# Altium PCB PCB.PcbDoc
Units mm, origin at the board's own origin, x right, y up, seen from the top; angles counter-clockwise.
Board outline 69.9 x 71.4 mm, 2 copper layers (Top Layer, Bottom Layer); 9 components, 0 nets, 97 pads, 0 vias.
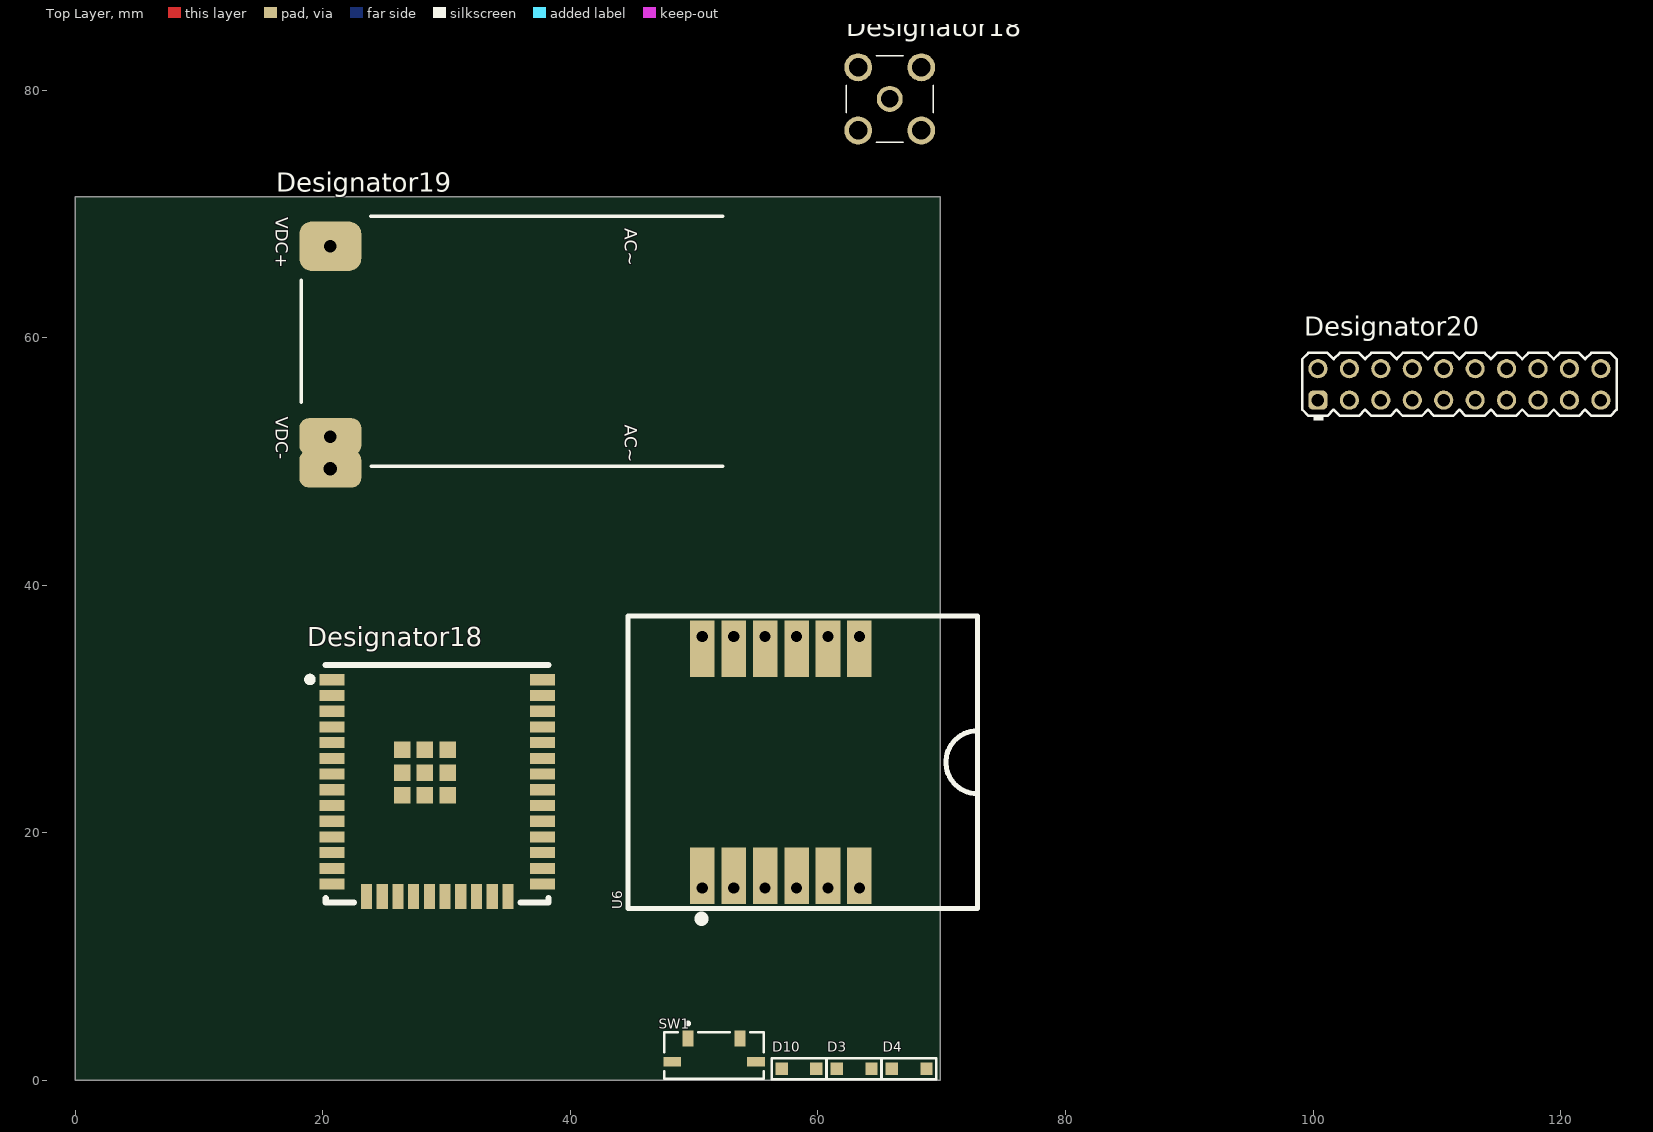
[diagram p0: Top Layer view]
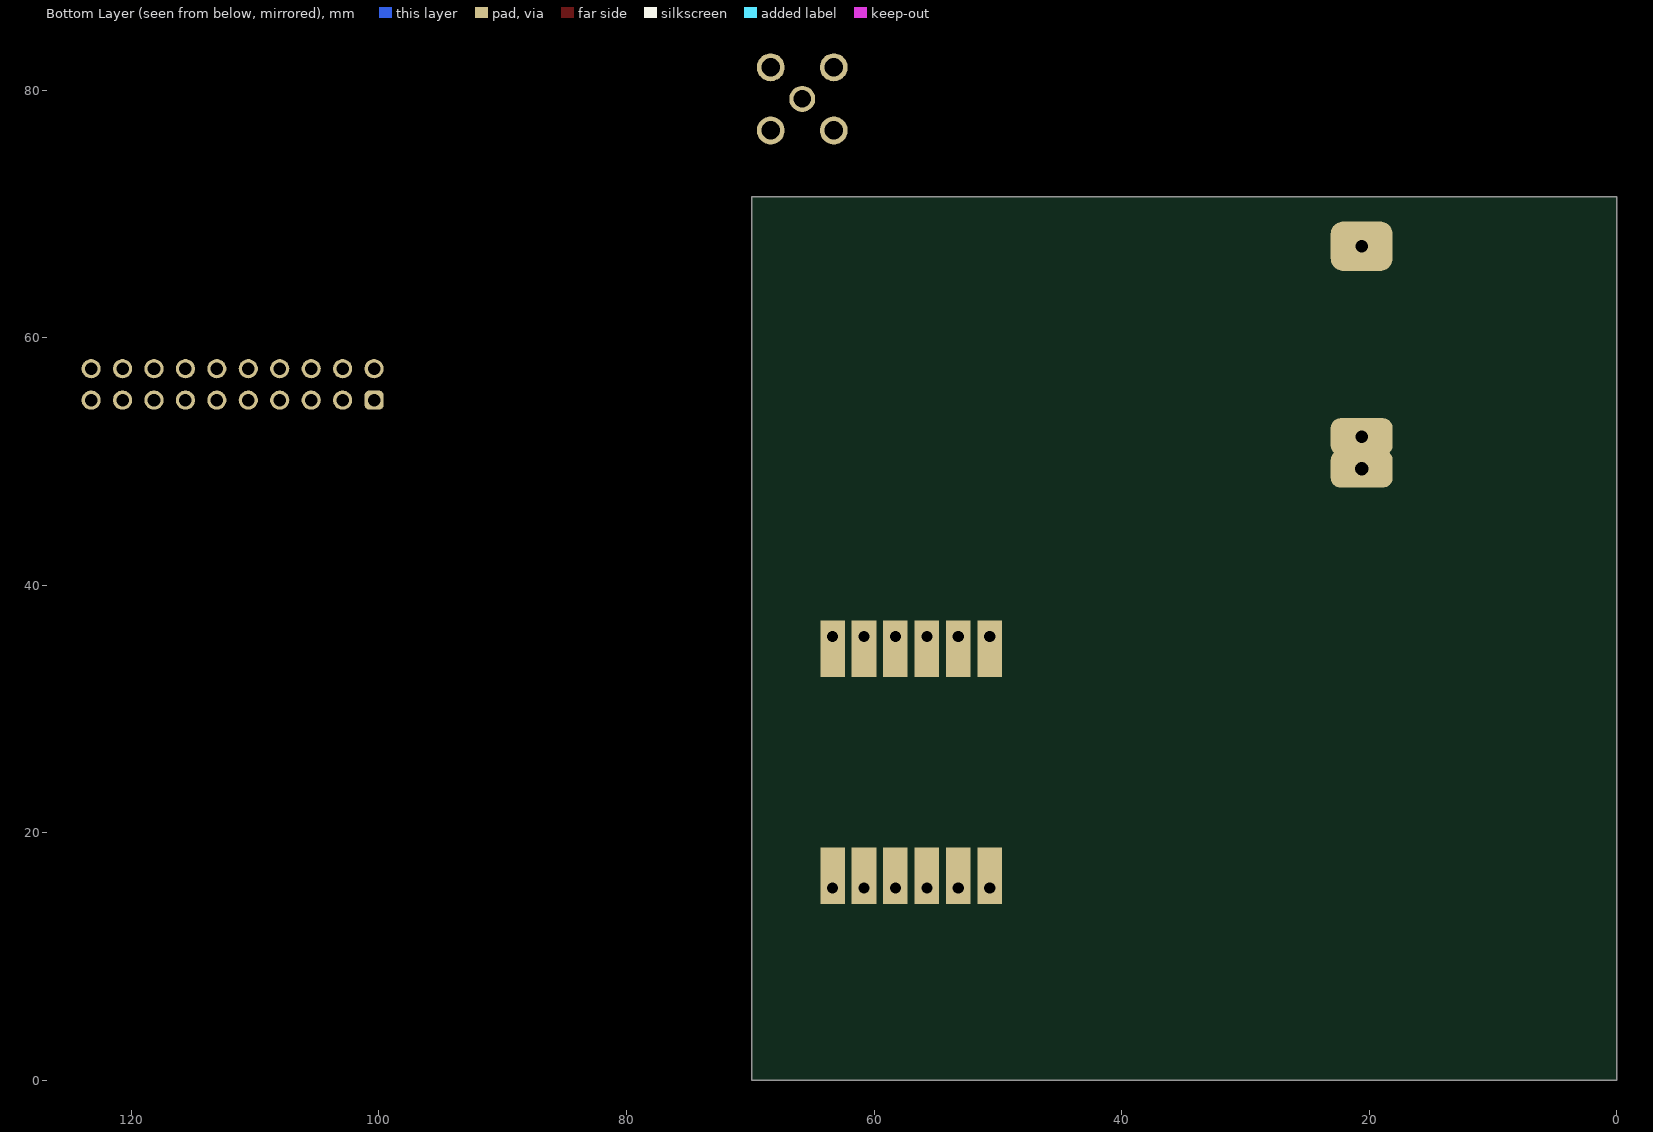
[diagram p1: Bottom Layer view, seen from below]

## Layer stack, top to bottom
Top Solder: solder mask 0.0102, Solder Resist, Dk 3.5
Top Layer: signal copper 0.0356
Dielectric 1: dielectric 0.32, FR-4, Dk 4.8
Bottom Layer: signal copper 0.0356
Bottom Solder: solder mask 0.0102, Solder Resist, Dk 3.5

## Board outline
0,71.4 69.9,71.4 69.9,0 0,0

## Design rules (kind name [scope] priority, off if disabled: settings)
Clearance [All] p1: gap=0.254 ignorepadtopadclearanceinfootprint=FALSE except(0: Arc-Hole Track-Hole SMDPad-Hole THPad-Hole Via-Hole Fill-Hole Poly-Hole Region-Hole Text-Hole)
PolygonConnect [All] p1: connectstyle=Relief reliefconductorwidth=0.254 reliefentries=4 polygonreliefangle="90 Angle" airgapwidth=0.254
RoutingVias [All] p1: holewidth=0.711 width=1.27 viastyle="Through Hole" minholewidth=0.711 minwidth=1.27 maxholewidth=0.711 maxwidth=1.27
SolderMaskExpansion [All] p1: expansion=0.102 istentingtop=FALSE
Width [All] p1: maxlimit=0.254 minlimit=0.254 preferedwidth=0.254
30 further rules are at their usual default settings.

## Components (designator, comment, footprint, x,y, rotation, side; value= is the part's Value field where it differs from the comment)
D3 "GLED-RA" 12-21C/G6C-KN2P2/2C 62.921,0.922 r0 top
D4 "BLED-RA" 12-21C/BHC-AP1Q1N/2C 67.366,0.922 r0 top
D10 "RLED-RA" 12-21SURC/S530-A3/TR8 58.476,0.922 r0 top
Designator18 "Comment" ESP32WROOM32UEM113EH6400UH3Q0 29.235,23.955 r0 top
Designator18 "Comment" LINX_CONSMA002-G 65.8,79.3 r90 top
Designator19 "Comment" "Hi-link AC to 3.3VDC" 35.3,59.7 r180 top
Designator20 "Comment" "Male Header 10x2" 111.83,56.23 r90 top
SW1 "TL3330AF260QG" FP-TL3330AF260QG-MFG 51.6,2 r0 top
U6 "USR-ES1_WIZNET5500" USR-ES1-WIZNET5500 57,25.7 r90 top

## Footprints (in the part's own frame and the unit in brackets; to place one, negate y for a bottom-side part, rotate by r counter-clockwise, add the part's x,y. Pads: shape width x height; smd on the part's side, far side on the other; paste and mask are expansions set on the pad)
12-21C/BHC-AP1Q1N/2C [mm]
  rect 1x1 smd: 1(-1.4,0) 2(1.4,0)
  silkscreen extent -2.2,-0.85 2.2,0.85, body extent -1.63,-0.9 1.63,0, height 1.66
12-21C/G6C-KN2P2/2C [mm]
  rect 1x1 smd: 1(-1.4,0) 2(1.4,0)
  silkscreen extent -2.2,-0.85 2.2,0.85, body extent -1.63,-0.9 1.63,0, height 1.66
12-21SURC/S530-A3/TR8 [mm]
  rect 1x1 smd: 1(-1.4,0) 2(1.4,0)
  silkscreen extent -2.2,-0.85 2.2,0.85, body extent -1.63,-0.9 1.63,0, height 1.66
ESP32WROOM32UEM113EH6400UH3Q0 [mm]
  rect 2x0.9 smd: 1(-8.5,8.41) 2(-8.5,7.14) 3(-8.5,5.87) 4(-8.5,4.6) 5(-8.5,3.33) 6(-8.5,2.06) 7(-8.5,0.79) 8(-8.5,-0.48) 9(-8.5,-1.75) 10(-8.5,-3.02) 11(-8.5,-4.29) 12(-8.5,-5.56) 13(-8.5,-6.83) 14(-8.5,-8.1) 25(8.5,-8.1) 26(8.5,-6.83) 27(8.5,-5.56) 28(8.5,-4.29) 29(8.5,-3.02) 30(8.5,-1.75) 31(8.5,-0.48) 32(8.5,0.79) 33(8.5,2.06) 34(8.5,3.33) 35(8.5,4.6) 36(8.5,5.87) 37(8.5,7.14) 38(8.5,8.41)
  rect 0.9x2 smd: 15(-5.715,-9.1) 16(-4.445,-9.1) 17(-3.175,-9.1) 18(-1.905,-9.1) 19(-0.635,-9.1) 20(0.635,-9.1) 21(1.905,-9.1) 22(3.175,-9.1) 23(4.445,-9.1) 24(5.715,-9.1)
  rect 1.33x1.33 smd: 39(-2.835,-0.925) 39(-2.835,0.91) 39(-2.835,2.745) 39(-1,-0.925) 39(-1,0.91) 39(-1,2.745) 39(0.835,-0.925) 39(0.835,0.91) 39(0.835,2.745)
  silkscreen extent -10.5,-9.6 9,9.6, body extent -9.06,-9.63 9.01,9.61, height 3.41
FP-TL3330AF260QG-MFG [mm]
  rect 0.9x1.27 smd paste+0 mask+0: 1(-2.1,1.385) 2(2.1,1.385)
  rect 1.45x0.8 smd paste+0 mask+0: 3(-3.375,-0.5) 4(3.375,-0.5)
  silkscreen extent -4.03,-1.88 4.03,2.72, body extent -3.9,-1.75 3.9,1.75, height 3.75
"Hi-link AC to 3.3VDC" [mm]
  rrect50% 5x4 hole 1: 1(14.7,-7.7)
  rrect50% 5x3 hole 1: 2(14.7,7.7)
  rrect50% 5x3 hole 1.1: 2(14.7,10.3)
  silkscreen extent -16.98,-10.11 17.04,10.09, body extent -21.6,-10.82 17,12.49, height 18.35
LINX_CONSMA002-G [mm]
  round 2.1 hole 1.4: 1(0,0)
  round 2.25 hole 1.5: S1(-2.55,2.55) S2(-2.55,-2.55) S3(2.55,-2.55) S4(2.55,2.55)
  silkscreen extent -3.5,-3.5 3.5,3.5, body extent -3.5,-11.69 3.5,3.51, height 10.05
"Male Header 10x2" [mm]
  rrect50% 1.55x1.55 hole 1.016: 1(-1.27,11.43)
  round 1.55 hole 1.016: 2(1.27,11.43) 3(-1.27,8.89) 4(1.27,8.89) 5(-1.27,6.35) 6(1.27,6.35) 7(-1.27,3.81) 8(1.27,3.81) 9(-1.27,1.27) 10(1.27,1.27) 11(-1.27,-1.27) 12(1.27,-1.27) 13(-1.27,-3.81) 14(1.27,-3.81) 15(-1.27,-6.35) 16(1.27,-6.35) 17(-1.27,-8.89) 18(1.27,-8.89) 19(-1.27,-11.43) 20(1.27,-11.43)
  silkscreen extent -2.9,-12.7 2.54,12.7, body extent -2.54,-12.7 2.54,12.7, height 8.38
USR-ES1-WIZNET5500 [mil]
  rect 180x78 hole 35.43 copper offset 39.37,0: 1(-400,250) 2(-400,150) 3(-400,50) 4(-400,-50) 5(-400,-150) 6(-400,-250)
  rect 180x78 hole 35.43 copper offset -39.37,0: 7(400,-250) 8(400,-150) 9(400,-50) 10(400,50) 11(400,150) 12(400,250)
  silkscreen extent -501,-625 465,486, body extent -455,-618 451,482, height 720

## Part data
D3: library part 12-21C/G6C-KN2P2/2C, "Green-yellow 569.5~575.5nm Right-Angle 1206 Light Emitting Diodes (LED) RoHS"
D4: library part 12-21C/BHC-AP1Q1N/2C, "Blue 464.5~476.5nm 1206 Right-Angle Light Emitting Diodes (LED) RoHS"
D10: library part 12-21SURC/S530-A3/TR8, "Red 624nm Right-Angle 1206 Light Emitting Diodes (LED) RoHS"
SW1: "SWITCH TACTILE SPST-NO 0.05A 12V", Case/Package=SMD/SMT, Color=Black, Contact Resistance=100mR, Current Rating=50mA, Max Operating Temperature=70°C, Max Voltage Rating (DC)=12V, Min Operating Temperature=-20°C, Operating Force=260gf, Package Quantity=1, Actuator Length=1mm, Actuator Material=Nylon, Contact Material=Silver, Contact Plating=Silver, Electrical Life=30000Cycles, Illumination Type=Non-Illuminated, Lead Free="Lead Free", Mechanical Life=30000Cycles, Mount="Surface Mount", Orientation="Right Angle", Packaging="Tape and Reel", Switch Function=Off-Mom, Switch Travel=0.25mm, Termination="Gull Wing", Throw Configuration=SPST, Voltage Rating (DC)=12V
U6: "Ethernet Controllers Module 10/100 Base-T/TX PHY SPI 2.97V ~ 3.63V LQFP-48_7x7x05P Ethernet ICs RoHS"

## Nets (pads, with @x,y where several pads share a name; then routed paths per layer and width w, separated by ;. In a path a pad name is that pad's centre, name@x,y a point inside that pad or via, vN(x,y) a via of type N, cw(c..) or ccw(c..) an arc to the next point about the centre after c; other vN are vias at no path point)
pads on no net: D3.1 D3.2 D4.1 D4.2 D10.1 D10.2 Designator18.1 Designator18.2 Designator18.3 Designator18.4 Designator18.5 Designator18.6 Designator18.7 Designator18.8 Designator18.9 Designator18.10 Designator18.11 Designator18.12 Designator18.13 Designator18.14 Designator18.15 Designator18.16 Designator18.17 Designator18.18 Designator18.19 Designator18.20 Designator18.21 Designator18.22 Designator18.23 Designator18.24 Designator18.25 Designator18.26 Designator18.27 Designator18.28 Designator18.29 Designator18.30 Designator18.31 Designator18.32 Designator18.33 Designator18.34 Designator18.35 Designator18.36 Designator18.37 Designator18.38 Designator18.39 Designator18.S1 Designator18.S2 Designator18.S3 Designator18.S4 Designator19.1 Designator19.2 Designator20.1 Designator20.2 Designator20.3 Designator20.4 Designator20.5 Designator20.6 Designator20.7 Designator20.8 Designator20.9 Designator20.10 Designator20.11 Designator20.12 Designator20.13 Designator20.14 Designator20.15 Designator20.16 Designator20.17 Designator20.18 Designator20.19 Designator20.20 SW1.1 SW1.2 SW1.3 SW1.4 U6.1 U6.2 U6.3 U6.4 U6.5 U6.6 U6.7 U6.8 U6.9 U6.10 U6.11 U6.12

## Text inside footprints (layer, text, board x,y; h text height)
Designator19: Top Assembly "VDC+" at 26.96,68.14 h2 r180; Top Assembly "VDC-" at 27.11,53.27 h2 r180; Top Assembly "AC~" at 50.49,57.91 h2 r180; Top Assembly "AC~" at 50.49,63.01 h2 r180; Top Overlay "VDC-" at 16.18,53.63 h1 r270; Top Overlay "VDC+" at 16.18,69.72 h1 r270; Top Overlay "AC~" at 44.37,52.96 h1 r270; Top Overlay "AC~" at 44.37,68.85 h1 r270
U6: Top Assembly "NC" at 56.365,15.117 h1.27 r90; Top Assembly "MISO" at 51.26,15.117 h1.27 r90; Top Assembly "VCC" at 58.829,15.117 h1.27 r90; Top Assembly "VCC" at 61.369,15.117 h1.27 r90; Top Assembly "RST" at 53.8,15.117 h1.27 r90; Top Assembly "GND" at 63.909,15.117 h1.27 r90; Top Assembly "SCLK" at 56.365,31.703 h1.27 r90; Top Assembly "GND" at 63.909,32.973 h1.27 r90; Top Assembly "INT" at 51.26,33.184 h1.27 r90; Top Assembly "GND" at 61.369,32.973 h1.27 r90; Top Assembly "MOSI" at 58.829,32.126 h1.27 r90; Top Assembly "CS" at 53.8,34.242 h1.27 r90; Top Assembly "o" at 49.27,15.8 h1.27 r90